# Altium PCB PCB_3_3G_wireless.PcbDoc (part 2 of 6)
Units mm, origin at the board's own origin, x right, y up, seen from the top; angles counter-clockwise.
Board outline 800 x 450.44 mm, 4 copper layers (Top Layer, Y1, S2, Bottom Layer), stack 0.778 mm thick; 1293 components, 1283 nets, 3356 pads, 970 vias.
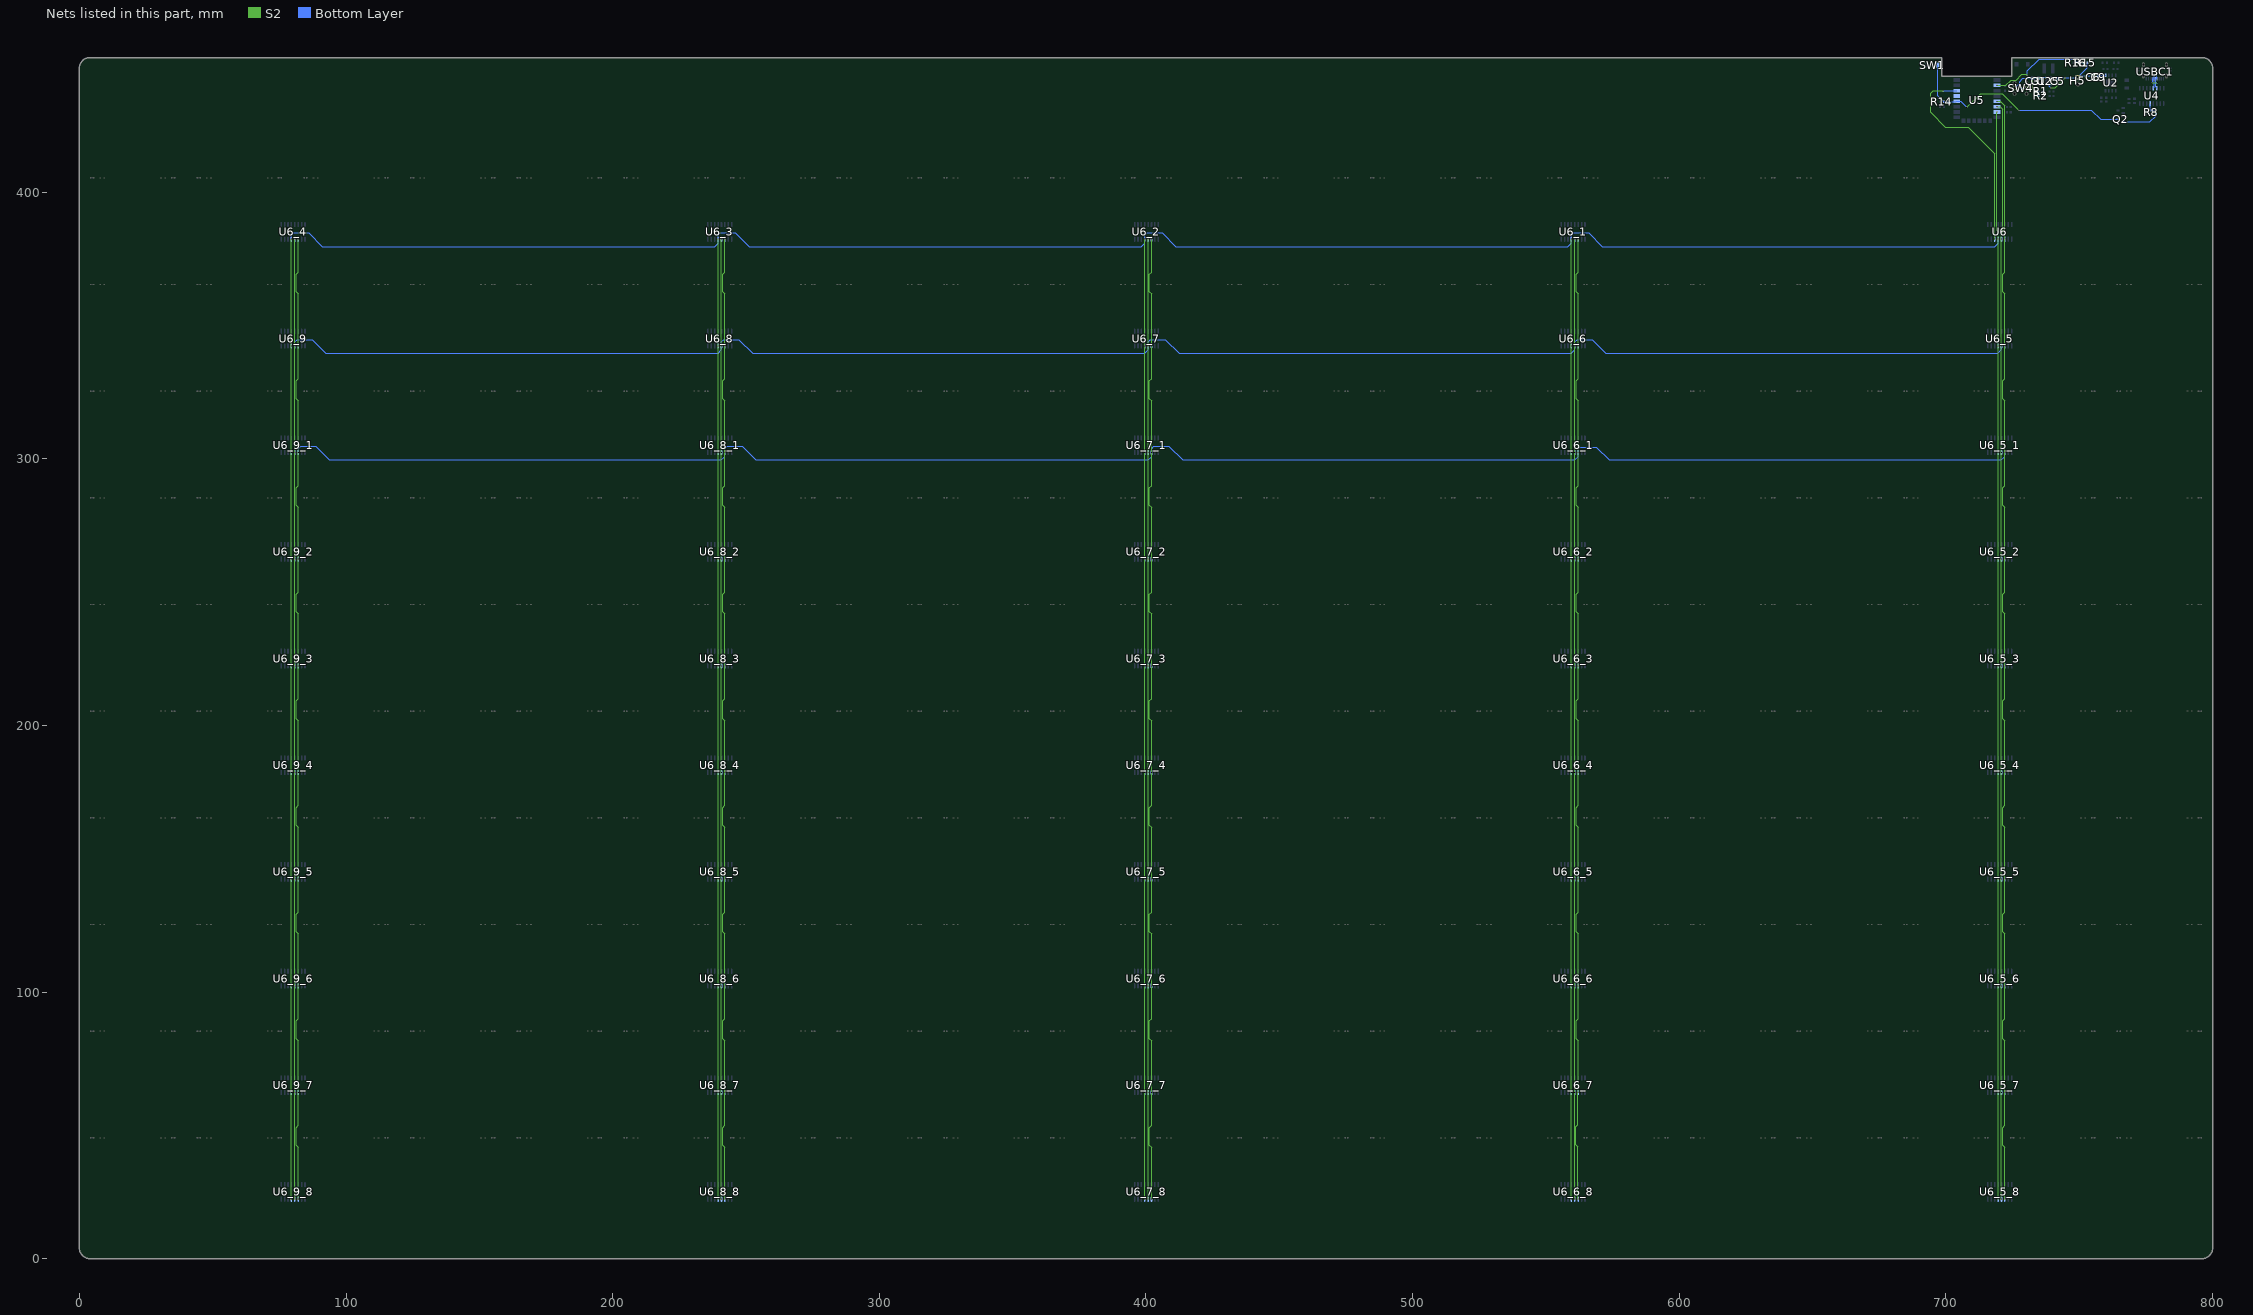
[diagram p4: the nets of this part, all layers, seen from the top]

## Components (designator, comment, footprint, x,y, rotation, side; value= is the part's Value field where it differs from the comment) (continued)
D20_14 "Comment" SC-79_L1.2-W0.8-LS1.6-RD 591.389,45.308 r0 top
D20_15 "Comment" SC-79_L1.2-W0.8-LS1.6-RD 631.389,45.308 r0 top
D20_16 "Comment" SC-79_L1.2-W0.8-LS1.6-RD 671.389,45.308 r0 top
D20_17 "Comment" SC-79_L1.2-W0.8-LS1.6-RD 711.389,45.308 r0 top
D20_18 "Comment" SC-79_L1.2-W0.8-LS1.6-RD 751.389,45.308 r0 top
D20_19 "Comment" SC-79_L1.2-W0.8-LS1.6-RD 791.389,45.308 r0 top
H5 "HDR-M_2.54_1x2P" HDR-TH_2P-P2.54-V-M-1 749.463,441.742 r270 bottom
L1 "Comment" 0402 4.801,405.307 r0 top
L1_1 "Comment" 0402 44.801,405.307 r0 top
L1_2 "Comment" 0402 84.801,405.307 r0 top
L1_3 "Comment" 0402 124.801,405.307 r0 top
L1_4 "Comment" 0402 164.801,405.307 r0 top
L1_5 "Comment" 0402 204.801,405.307 r0 top
L1_6 "Comment" 0402 244.801,405.307 r0 top
L1_7 "Comment" 0402 284.801,405.307 r0 top
L1_8 "Comment" 0402 324.801,405.307 r0 top
L1_9 "Comment" 0402 364.801,405.307 r0 top
L1_10 "Comment" 0402 404.801,405.307 r0 top
L1_11 "Comment" 0402 444.801,405.307 r0 top
L1_12 "Comment" 0402 484.801,405.307 r0 top
L1_13 "Comment" 0402 524.801,405.307 r0 top
L1_14 "Comment" 0402 564.801,405.307 r0 top
L1_15 "Comment" 0402 604.801,405.307 r0 top
L1_16 "Comment" 0402 644.801,405.307 r0 top
L1_17 "Comment" 0402 684.801,405.307 r0 top
L1_18 "Comment" 0402 724.801,405.307 r0 top
L1_19 "Comment" 0402 764.801,405.307 r0 top
L1_20 "3.3uH" IND-SMD_L4.0-W4.0_SMNR4012 738.454,446.273 r180 bottom (schematic designator L1)
L2 "Comment" 0402 4.801,365.307 r0 top
L2_1 "Comment" 0402 44.801,365.307 r0 top
L2_2 "Comment" 0402 84.801,365.307 r0 top
L2_3 "Comment" 0402 124.801,365.307 r0 top
L2_4 "Comment" 0402 164.801,365.307 r0 top
L2_5 "Comment" 0402 204.801,365.307 r0 top
L2_6 "Comment" 0402 244.801,365.307 r0 top
L2_7 "Comment" 0402 284.801,365.307 r0 top
L2_8 "Comment" 0402 324.801,365.307 r0 top
L2_9 "Comment" 0402 364.801,365.307 r0 top
L2_10 "Comment" 0402 404.801,365.307 r0 top
L2_11 "Comment" 0402 444.801,365.307 r0 top
L2_12 "Comment" 0402 484.801,365.307 r0 top
L2_13 "Comment" 0402 524.801,365.307 r0 top
L2_14 "Comment" 0402 564.801,365.307 r0 top
L2_15 "Comment" 0402 604.801,365.307 r0 top
L2_16 "Comment" 0402 644.801,365.307 r0 top
L2_17 "Comment" 0402 684.801,365.307 r0 top
L2_18 "Comment" 0402 724.801,365.307 r0 top
L2_19 "Comment" 0402 764.801,365.307 r0 top
L3 "Comment" 0402 4.801,325.307 r0 top
L3_1 "Comment" 0402 44.801,325.307 r0 top
L3_2 "Comment" 0402 84.801,325.307 r0 top
L3_3 "Comment" 0402 124.801,325.307 r0 top
L3_4 "Comment" 0402 164.801,325.307 r0 top
L3_5 "Comment" 0402 204.801,325.307 r0 top
L3_6 "Comment" 0402 244.801,325.307 r0 top
L3_7 "Comment" 0402 284.801,325.307 r0 top
L3_8 "Comment" 0402 324.801,325.307 r0 top
L3_9 "Comment" 0402 364.801,325.307 r0 top
L3_10 "Comment" 0402 404.801,325.307 r0 top
L3_11 "Comment" 0402 444.801,325.307 r0 top
L3_12 "Comment" 0402 484.801,325.307 r0 top
L3_13 "Comment" 0402 524.801,325.307 r0 top
L3_14 "Comment" 0402 564.801,325.307 r0 top
L3_15 "Comment" 0402 604.801,325.307 r0 top
L3_16 "Comment" 0402 644.801,325.307 r0 top
L3_17 "Comment" 0402 684.801,325.307 r0 top
L3_18 "Comment" 0402 724.801,325.307 r0 top
L3_19 "Comment" 0402 764.801,325.307 r0 top
L4 "Comment" 0402 4.801,285.307 r0 top
L4_1 "Comment" 0402 44.801,285.307 r0 top
L4_2 "Comment" 0402 84.801,285.307 r0 top
L4_3 "Comment" 0402 124.801,285.307 r0 top
L4_4 "Comment" 0402 164.801,285.307 r0 top
L4_5 "Comment" 0402 204.801,285.307 r0 top
L4_6 "Comment" 0402 244.801,285.307 r0 top
L4_7 "Comment" 0402 284.801,285.307 r0 top
L4_8 "Comment" 0402 324.801,285.307 r0 top
L4_9 "Comment" 0402 364.801,285.307 r0 top
L4_10 "Comment" 0402 404.801,285.307 r0 top
L4_11 "Comment" 0402 444.801,285.307 r0 top
L4_12 "Comment" 0402 484.801,285.307 r0 top
L4_13 "Comment" 0402 524.801,285.307 r0 top
L4_14 "Comment" 0402 564.801,285.307 r0 top
L4_15 "Comment" 0402 604.801,285.307 r0 top
L4_16 "Comment" 0402 644.801,285.307 r0 top
L4_17 "Comment" 0402 684.801,285.307 r0 top
L4_18 "Comment" 0402 724.801,285.307 r0 top
L4_19 "Comment" 0402 764.801,285.307 r0 top
L5 "Comment" 0402 4.801,245.307 r0 top
L5_1 "Comment" 0402 44.801,245.307 r0 top
L5_2 "Comment" 0402 84.801,245.307 r0 top
L5_3 "Comment" 0402 124.801,245.307 r0 top
L5_4 "Comment" 0402 164.801,245.307 r0 top
L5_5 "Comment" 0402 204.801,245.307 r0 top
L5_6 "Comment" 0402 244.801,245.307 r0 top
L5_7 "Comment" 0402 284.801,245.307 r0 top
L5_8 "Comment" 0402 324.801,245.307 r0 top
L5_9 "Comment" 0402 364.801,245.307 r0 top
L5_10 "Comment" 0402 404.801,245.307 r0 top
L5_11 "Comment" 0402 444.801,245.307 r0 top
L5_12 "Comment" 0402 484.801,245.307 r0 top
L5_13 "Comment" 0402 524.801,245.307 r0 top
L5_14 "Comment" 0402 564.801,245.307 r0 top
L5_15 "Comment" 0402 604.801,245.307 r0 top
L5_16 "Comment" 0402 644.801,245.307 r0 top
L5_17 "Comment" 0402 684.801,245.307 r0 top
L5_18 "Comment" 0402 724.801,245.307 r0 top
L5_19 "Comment" 0402 764.801,245.307 r0 top
L6 "Comment" 0402 4.801,205.307 r0 top
L6_1 "Comment" 0402 44.801,205.307 r0 top
L6_2 "Comment" 0402 84.801,205.307 r0 top
L6_3 "Comment" 0402 124.801,205.307 r0 top
L6_4 "Comment" 0402 164.801,205.307 r0 top
L6_5 "Comment" 0402 204.801,205.307 r0 top
L6_6 "Comment" 0402 244.801,205.307 r0 top
L6_7 "Comment" 0402 284.801,205.307 r0 top
L6_8 "Comment" 0402 324.801,205.307 r0 top
L6_9 "Comment" 0402 364.801,205.307 r0 top
L6_10 "Comment" 0402 404.801,205.307 r0 top
L6_11 "Comment" 0402 444.801,205.307 r0 top
L6_12 "Comment" 0402 484.801,205.307 r0 top
L6_13 "Comment" 0402 524.801,205.307 r0 top
L6_14 "Comment" 0402 564.801,205.307 r0 top
L6_15 "Comment" 0402 604.801,205.307 r0 top
L6_16 "Comment" 0402 644.801,205.307 r0 top
L6_17 "Comment" 0402 684.801,205.307 r0 top
L6_18 "Comment" 0402 724.801,205.307 r0 top
L6_19 "Comment" 0402 764.801,205.307 r0 top
L7 "Comment" 0402 4.801,165.307 r0 top
L7_1 "Comment" 0402 44.801,165.307 r0 top
L7_2 "Comment" 0402 84.801,165.307 r0 top
L7_3 "Comment" 0402 124.801,165.307 r0 top
L7_4 "Comment" 0402 164.801,165.307 r0 top
L7_5 "Comment" 0402 204.801,165.307 r0 top
L7_6 "Comment" 0402 244.801,165.307 r0 top
L7_7 "Comment" 0402 284.801,165.307 r0 top
L7_8 "Comment" 0402 324.801,165.307 r0 top
L7_9 "Comment" 0402 364.801,165.307 r0 top
L7_10 "Comment" 0402 404.801,165.307 r0 top
L7_11 "Comment" 0402 444.801,165.307 r0 top
L7_12 "Comment" 0402 484.801,165.307 r0 top
L7_13 "Comment" 0402 524.801,165.307 r0 top
L7_14 "Comment" 0402 564.801,165.307 r0 top
L7_15 "Comment" 0402 604.801,165.307 r0 top
L7_16 "Comment" 0402 644.801,165.307 r0 top
L7_17 "Comment" 0402 684.801,165.307 r0 top
L7_18 "Comment" 0402 724.801,165.307 r0 top
L7_19 "Comment" 0402 764.801,165.307 r0 top
L8 "Comment" 0402 4.801,125.307 r0 top
L8_1 "Comment" 0402 44.801,125.307 r0 top
L8_2 "Comment" 0402 84.801,125.307 r0 top
L8_3 "Comment" 0402 124.801,125.307 r0 top
L8_4 "Comment" 0402 164.801,125.307 r0 top
L8_5 "Comment" 0402 204.801,125.307 r0 top
L8_6 "Comment" 0402 244.801,125.307 r0 top
L8_7 "Comment" 0402 284.801,125.307 r0 top
L8_8 "Comment" 0402 324.801,125.307 r0 top
L8_9 "Comment" 0402 364.801,125.307 r0 top
L8_10 "Comment" 0402 404.801,125.307 r0 top
L8_11 "Comment" 0402 444.801,125.307 r0 top
L8_12 "Comment" 0402 484.801,125.307 r0 top
L8_13 "Comment" 0402 524.801,125.307 r0 top
L8_14 "Comment" 0402 564.801,125.307 r0 top
L8_15 "Comment" 0402 604.801,125.307 r0 top
L8_16 "Comment" 0402 644.801,125.307 r0 top
L8_17 "Comment" 0402 684.801,125.307 r0 top
L8_18 "Comment" 0402 724.801,125.307 r0 top
L8_19 "Comment" 0402 764.801,125.307 r0 top
L9 "Comment" 0402 4.801,85.307 r0 top
L9_1 "Comment" 0402 44.801,85.307 r0 top
L9_2 "Comment" 0402 84.801,85.307 r0 top
L9_3 "Comment" 0402 124.801,85.307 r0 top
L9_4 "Comment" 0402 164.801,85.307 r0 top
L9_5 "Comment" 0402 204.801,85.307 r0 top
L9_6 "Comment" 0402 244.801,85.307 r0 top
L9_7 "Comment" 0402 284.801,85.307 r0 top
L9_8 "Comment" 0402 324.801,85.307 r0 top
L9_9 "Comment" 0402 364.801,85.307 r0 top
L9_10 "Comment" 0402 404.801,85.307 r0 top
L9_11 "Comment" 0402 444.801,85.307 r0 top
L9_12 "Comment" 0402 484.801,85.307 r0 top
L9_13 "Comment" 0402 524.801,85.307 r0 top
L9_14 "Comment" 0402 564.801,85.307 r0 top
L9_15 "Comment" 0402 604.801,85.307 r0 top
L9_16 "Comment" 0402 644.801,85.307 r0 top
L9_17 "Comment" 0402 684.801,85.307 r0 top
L9_18 "Comment" 0402 724.801,85.307 r0 top
L9_19 "Comment" 0402 764.801,85.307 r0 top
L10 "Comment" 0402 4.801,45.307 r0 top
L10_1 "Comment" 0402 44.801,45.307 r0 top
L10_2 "Comment" 0402 84.801,45.307 r0 top
L10_3 "Comment" 0402 124.801,45.307 r0 top
L10_4 "Comment" 0402 164.801,45.307 r0 top
L10_5 "Comment" 0402 204.801,45.307 r0 top
L10_6 "Comment" 0402 244.801,45.307 r0 top
L10_7 "Comment" 0402 284.801,45.307 r0 top
L10_8 "Comment" 0402 324.801,45.307 r0 top
L10_9 "Comment" 0402 364.801,45.307 r0 top
L10_10 "Comment" 0402 404.801,45.307 r0 top
L10_11 "Comment" 0402 444.801,45.307 r0 top
L10_12 "Comment" 0402 484.801,45.307 r0 top
L10_13 "Comment" 0402 524.801,45.307 r0 top
L10_14 "Comment" 0402 564.801,45.307 r0 top
L10_15 "Comment" 0402 604.801,45.307 r0 top
L10_16 "Comment" 0402 644.801,45.307 r0 top
L10_17 "Comment" 0402 684.801,45.307 r0 top
L10_18 "Comment" 0402 724.801,45.307 r0 top
L10_19 "Comment" 0402 764.801,45.307 r0 top
L11 "Comment" 0402 35.199,405.308 r180 top
L11_1 "Comment" 0402 75.199,405.308 r180 top
L11_2 "Comment" 0402 115.199,405.308 r180 top
L11_3 "Comment" 0402 155.199,405.308 r180 top
L11_4 "Comment" 0402 195.199,405.308 r180 top
L11_5 "Comment" 0402 235.199,405.308 r180 top
L11_6 "Comment" 0402 275.199,405.308 r180 top
L11_7 "Comment" 0402 315.199,405.308 r180 top
L11_8 "Comment" 0402 355.199,405.308 r180 top
L11_9 "Comment" 0402 395.199,405.308 r180 top
L11_10 "Comment" 0402 435.199,405.308 r180 top
L11_11 "Comment" 0402 475.199,405.308 r180 top
L11_12 "Comment" 0402 515.199,405.308 r180 top
L11_13 "Comment" 0402 555.199,405.308 r180 top
L11_14 "Comment" 0402 595.199,405.308 r180 top
L11_15 "Comment" 0402 635.199,405.308 r180 top
L11_16 "Comment" 0402 675.199,405.308 r180 top
L11_17 "Comment" 0402 715.199,405.308 r180 top
L11_18 "Comment" 0402 755.199,405.308 r180 top
L11_19 "Comment" 0402 795.199,405.308 r180 top
L12 "Comment" 0402 35.199,365.308 r180 top
L12_1 "Comment" 0402 75.199,365.308 r180 top
L12_2 "Comment" 0402 115.199,365.308 r180 top
L12_3 "Comment" 0402 155.199,365.308 r180 top
L12_4 "Comment" 0402 195.199,365.308 r180 top
L12_5 "Comment" 0402 235.199,365.308 r180 top
L12_6 "Comment" 0402 275.199,365.308 r180 top
L12_7 "Comment" 0402 315.199,365.308 r180 top
L12_8 "Comment" 0402 355.199,365.308 r180 top
L12_9 "Comment" 0402 395.199,365.308 r180 top
L12_10 "Comment" 0402 435.199,365.308 r180 top
L12_11 "Comment" 0402 475.199,365.308 r180 top
L12_12 "Comment" 0402 515.199,365.308 r180 top
L12_13 "Comment" 0402 555.199,365.308 r180 top
L12_14 "Comment" 0402 595.199,365.308 r180 top
L12_15 "Comment" 0402 635.199,365.308 r180 top
L12_16 "Comment" 0402 675.199,365.308 r180 top
L12_17 "Comment" 0402 715.199,365.308 r180 top
L12_18 "Comment" 0402 755.199,365.308 r180 top
L12_19 "Comment" 0402 795.199,365.308 r180 top
L13 "Comment" 0402 35.199,325.308 r180 top
L13_1 "Comment" 0402 75.199,325.308 r180 top
L13_2 "Comment" 0402 115.199,325.308 r180 top
L13_3 "Comment" 0402 155.199,325.308 r180 top
L13_4 "Comment" 0402 195.199,325.308 r180 top
L13_5 "Comment" 0402 235.199,325.308 r180 top
L13_6 "Comment" 0402 275.199,325.308 r180 top
L13_7 "Comment" 0402 315.199,325.308 r180 top
L13_8 "Comment" 0402 355.199,325.308 r180 top
L13_9 "Comment" 0402 395.199,325.308 r180 top
L13_10 "Comment" 0402 435.199,325.308 r180 top
L13_11 "Comment" 0402 475.199,325.308 r180 top
L13_12 "Comment" 0402 515.199,325.308 r180 top
L13_13 "Comment" 0402 555.199,325.308 r180 top
L13_14 "Comment" 0402 595.199,325.308 r180 top
L13_15 "Comment" 0402 635.199,325.308 r180 top
L13_16 "Comment" 0402 675.199,325.308 r180 top
L13_17 "Comment" 0402 715.199,325.308 r180 top
L13_18 "Comment" 0402 755.199,325.308 r180 top
L13_19 "Comment" 0402 795.199,325.308 r180 top
L14 "Comment" 0402 35.199,285.308 r180 top
L14_1 "Comment" 0402 75.199,285.308 r180 top
L14_2 "Comment" 0402 115.199,285.308 r180 top
L14_3 "Comment" 0402 155.199,285.308 r180 top
L14_4 "Comment" 0402 195.199,285.308 r180 top
L14_5 "Comment" 0402 235.199,285.308 r180 top
L14_6 "Comment" 0402 275.199,285.308 r180 top
L14_7 "Comment" 0402 315.199,285.308 r180 top
L14_8 "Comment" 0402 355.199,285.308 r180 top
L14_9 "Comment" 0402 395.199,285.308 r180 top
L14_10 "Comment" 0402 435.199,285.308 r180 top
L14_11 "Comment" 0402 475.199,285.308 r180 top
L14_12 "Comment" 0402 515.199,285.308 r180 top
L14_13 "Comment" 0402 555.199,285.308 r180 top
L14_14 "Comment" 0402 595.199,285.308 r180 top
L14_15 "Comment" 0402 635.199,285.308 r180 top
L14_16 "Comment" 0402 675.199,285.308 r180 top
L14_17 "Comment" 0402 715.199,285.308 r180 top
L14_18 "Comment" 0402 755.199,285.308 r180 top
L14_19 "Comment" 0402 795.199,285.308 r180 top
L15 "Comment" 0402 35.199,245.308 r180 top
L15_1 "Comment" 0402 75.199,245.308 r180 top
L15_2 "Comment" 0402 115.199,245.308 r180 top
L15_3 "Comment" 0402 155.199,245.308 r180 top
L15_4 "Comment" 0402 195.199,245.308 r180 top
L15_5 "Comment" 0402 235.199,245.308 r180 top
L15_6 "Comment" 0402 275.199,245.308 r180 top
L15_7 "Comment" 0402 315.199,245.308 r180 top
L15_8 "Comment" 0402 355.199,245.308 r180 top
L15_9 "Comment" 0402 395.199,245.308 r180 top
L15_10 "Comment" 0402 435.199,245.308 r180 top
L15_11 "Comment" 0402 475.199,245.308 r180 top
L15_12 "Comment" 0402 515.199,245.308 r180 top
L15_13 "Comment" 0402 555.199,245.308 r180 top
L15_14 "Comment" 0402 595.199,245.308 r180 top
L15_15 "Comment" 0402 635.199,245.308 r180 top
L15_16 "Comment" 0402 675.199,245.308 r180 top
L15_17 "Comment" 0402 715.199,245.308 r180 top
L15_18 "Comment" 0402 755.199,245.308 r180 top
L15_19 "Comment" 0402 795.199,245.308 r180 top
L16 "Comment" 0402 35.199,205.308 r180 top
L16_1 "Comment" 0402 75.199,205.308 r180 top
L16_2 "Comment" 0402 115.199,205.308 r180 top
L16_3 "Comment" 0402 155.199,205.308 r180 top
L16_4 "Comment" 0402 195.199,205.308 r180 top
L16_5 "Comment" 0402 235.199,205.308 r180 top
L16_6 "Comment" 0402 275.199,205.308 r180 top
L16_7 "Comment" 0402 315.199,205.308 r180 top
L16_8 "Comment" 0402 355.199,205.308 r180 top
L16_9 "Comment" 0402 395.199,205.308 r180 top
L16_10 "Comment" 0402 435.199,205.308 r180 top
L16_11 "Comment" 0402 475.199,205.308 r180 top
L16_12 "Comment" 0402 515.199,205.308 r180 top
L16_13 "Comment" 0402 555.199,205.308 r180 top
L16_14 "Comment" 0402 595.199,205.308 r180 top
L16_15 "Comment" 0402 635.199,205.308 r180 top
L16_16 "Comment" 0402 675.199,205.308 r180 top
L16_17 "Comment" 0402 715.199,205.308 r180 top
L16_18 "Comment" 0402 755.199,205.308 r180 top
L16_19 "Comment" 0402 795.199,205.308 r180 top
L17 "Comment" 0402 35.199,165.308 r180 top
L17_1 "Comment" 0402 75.199,165.308 r180 top
L17_2 "Comment" 0402 115.199,165.308 r180 top
L17_3 "Comment" 0402 155.199,165.308 r180 top
L17_4 "Comment" 0402 195.199,165.308 r180 top
L17_5 "Comment" 0402 235.199,165.308 r180 top
L17_6 "Comment" 0402 275.199,165.308 r180 top
L17_7 "Comment" 0402 315.199,165.308 r180 top
L17_8 "Comment" 0402 355.199,165.308 r180 top
L17_9 "Comment" 0402 395.199,165.308 r180 top
L17_10 "Comment" 0402 435.199,165.308 r180 top
L17_11 "Comment" 0402 475.199,165.308 r180 top
L17_12 "Comment" 0402 515.199,165.308 r180 top
L17_13 "Comment" 0402 555.199,165.308 r180 top
L17_14 "Comment" 0402 595.199,165.308 r180 top
L17_15 "Comment" 0402 635.199,165.308 r180 top
L17_16 "Comment" 0402 675.199,165.308 r180 top
L17_17 "Comment" 0402 715.199,165.308 r180 top
L17_18 "Comment" 0402 755.199,165.308 r180 top
L17_19 "Comment" 0402 795.199,165.308 r180 top
L18 "Comment" 0402 35.199,125.308 r180 top
L18_1 "Comment" 0402 75.199,125.308 r180 top
L18_2 "Comment" 0402 115.199,125.308 r180 top
L18_3 "Comment" 0402 155.199,125.308 r180 top
L18_4 "Comment" 0402 195.199,125.308 r180 top
L18_5 "Comment" 0402 235.199,125.308 r180 top
L18_6 "Comment" 0402 275.199,125.308 r180 top
L18_7 "Comment" 0402 315.199,125.308 r180 top
L18_8 "Comment" 0402 355.199,125.308 r180 top
L18_9 "Comment" 0402 395.199,125.308 r180 top
L18_10 "Comment" 0402 435.199,125.308 r180 top
L18_11 "Comment" 0402 475.199,125.308 r180 top
L18_12 "Comment" 0402 515.199,125.308 r180 top
L18_13 "Comment" 0402 555.199,125.308 r180 top
L18_14 "Comment" 0402 595.199,125.308 r180 top
L18_15 "Comment" 0402 635.199,125.308 r180 top
L18_16 "Comment" 0402 675.199,125.308 r180 top
L18_17 "Comment" 0402 715.199,125.308 r180 top
L18_18 "Comment" 0402 755.199,125.308 r180 top
L18_19 "Comment" 0402 795.199,125.308 r180 top
L19 "Comment" 0402 35.199,85.308 r180 top
L19_1 "Comment" 0402 75.199,85.308 r180 top
L19_2 "Comment" 0402 115.199,85.308 r180 top
L19_3 "Comment" 0402 155.199,85.308 r180 top
L19_4 "Comment" 0402 195.199,85.308 r180 top
L19_5 "Comment" 0402 235.199,85.308 r180 top
L19_6 "Comment" 0402 275.199,85.308 r180 top
L19_7 "Comment" 0402 315.199,85.308 r180 top
L19_8 "Comment" 0402 355.199,85.308 r180 top
L19_9 "Comment" 0402 395.199,85.308 r180 top
L19_10 "Comment" 0402 435.199,85.308 r180 top
L19_11 "Comment" 0402 475.199,85.308 r180 top
L19_12 "Comment" 0402 515.199,85.308 r180 top
L19_13 "Comment" 0402 555.199,85.308 r180 top
L19_14 "Comment" 0402 595.199,85.308 r180 top
L19_15 "Comment" 0402 635.199,85.308 r180 top
L19_16 "Comment" 0402 675.199,85.308 r180 top
L19_17 "Comment" 0402 715.199,85.308 r180 top
L19_18 "Comment" 0402 755.199,85.308 r180 top
L19_19 "Comment" 0402 795.199,85.308 r180 top
L20 "Comment" 0402 35.199,45.308 r180 top
L20_1 "Comment" 0402 75.199,45.308 r180 top
L20_2 "Comment" 0402 115.199,45.308 r180 top
L20_3 "Comment" 0402 155.199,45.308 r180 top
L20_4 "Comment" 0402 195.199,45.308 r180 top
L20_5 "Comment" 0402 235.199,45.308 r180 top
L20_6 "Comment" 0402 275.199,45.308 r180 top
L20_7 "Comment" 0402 315.199,45.308 r180 top
L20_8 "Comment" 0402 355.199,45.308 r180 top
L20_9 "Comment" 0402 395.199,45.308 r180 top
L20_10 "Comment" 0402 435.199,45.308 r180 top
L20_11 "Comment" 0402 475.199,45.308 r180 top
L20_12 "Comment" 0402 515.199,45.308 r180 top
L20_13 "Comment" 0402 555.199,45.308 r180 top
L20_14 "Comment" 0402 595.199,45.308 r180 top
L20_15 "Comment" 0402 635.199,45.308 r180 top
L20_16 "Comment" 0402 675.199,45.308 r180 top
L20_17 "Comment" 0402 715.199,45.308 r180 top
L20_18 "Comment" 0402 755.199,45.308 r180 top
L20_19 "Comment" 0402 795.199,45.308 r180 top
LED1 "19-217/GHC-YR1S2/3T" LED0603-R-RD 763.793,448.465 r180 bottom
LED2 "19-217/GHC-YR1S2/3T" LED0603-R-RD 759.534,448.503 r0 bottom
Q1 "S8050" SOT-23-3_L2.9-W1.3-P1.90-LS2.4-BR 765.508,430.596 r0 bottom
Q2 "S8050" SOT-23-3_L2.9-W1.3-P1.90-LS2.4-BR 765.49,427.294 r0 bottom
R1 "820k" R0603 735.503,437.711 r180 bottom
R2 "750k" R0603 735.529,436.027 r180 bottom
R3 "143k" R0603 739.567,437.711 r180 bottom
R4 "AC1206FR-7W10KL" R1206 767.725,440.456 r270 bottom
R5 "TR0402D10K0Q1025Z" R0603 763.567,446.154 r0 bottom
R6 "TR0402D10K0Q1025Z" R0603 759.851,446.133 r180 bottom
R7 "TR0402D10K0Q1025Z" R0603 763.021,435.371 r180 bottom
R8 "CR0603FA4R30G" R0603 776.935,429.87 r270 bottom
R9 "RC0402FR-075K1L" R0402 784.332,445.945 r270 bottom
R10 "RC0402FR-075K1L" R0402 772.307,445.945 r90 bottom
R11 "10K" R0603 722.907,439.745 r180 bottom
R12 "10K" R0603 722.922,437.957 r180 bottom
R13 "10K" R0603 698.459,432.041 r0 bottom
R14 "10K" R0603 698.467,433.857 r0 bottom
R15 "230K" R0603 752.295,448.432 r180 bottom
R16 "100K" R0603 748.66,448.478 r180 bottom
R17 "CR0603FA4R30G" R0603 774.944,429.905 r270 bottom
SW1 "TS-KG88C-ACT25F" KEY-SMD_L4.0-W2.9-LS4.8 694.911,447.604 r180 bottom
SW2 "TS-KG88C-ACT25F" KEY-SMD_L4.0-W2.9-LS4.8 728.52,447.952 r0 bottom
SW4 "PS-5850A-6PL" SW-TH_6P-L5.8-W5.8-P2.00-LS4.5-BL 727.952,438.882 r270 bottom
U2 "TP4056" ESOP-8_L4.9-W3.9-P1.27-LS6.0-BL-EP 761.741,440.906 r180 bottom
U4 "CH340C" SOP-16_L10.0-W3.9-P1.27-LS6.0-BL 777.166,436.057 r0 bottom
U5 "ESP-12F(ESP8266MOD)" WIFIM-SMD_ESP-12F-ESP8266MOD 711.561,434.358 r270 bottom
U6 "74HC595D" SOIC-16_L9.9-W3.9-P1.27-LS6.0-BL 720.166,385.064 r0 bottom
U6_1 "74HC595D" SOIC-16_L9.9-W3.9-P1.27-LS6.0-BL 560.166,385.064 r0 bottom (schematic designator U6)
U6_2 "74HC595D" SOIC-16_L9.9-W3.9-P1.27-LS6.0-BL 400.166,385.064 r0 bottom (schematic designator U6)
U6_3 "74HC595D" SOIC-16_L9.9-W3.9-P1.27-LS6.0-BL 240.166,385.064 r0 bottom (schematic designator U6)
U6_4 "74HC595D" SOIC-16_L9.9-W3.9-P1.27-LS6.0-BL 80.166,385.064 r0 bottom (schematic designator U6)
U6_5 "74HC595D" SOIC-16_L9.9-W3.9-P1.27-LS6.0-BL 720.166,345.064 r0 bottom (schematic designator U6)
U6_5_1 "74HC595D" SOIC-16_L9.9-W3.9-P1.27-LS6.0-BL 720.166,305.064 r0 bottom (schematic designator U6)
U6_5_2 "74HC595D" SOIC-16_L9.9-W3.9-P1.27-LS6.0-BL 720.166,265.064 r0 bottom (schematic designator U6)
U6_5_3 "74HC595D" SOIC-16_L9.9-W3.9-P1.27-LS6.0-BL 720.166,225.064 r0 bottom (schematic designator U6)
U6_5_4 "74HC595D" SOIC-16_L9.9-W3.9-P1.27-LS6.0-BL 720.166,185.064 r0 bottom (schematic designator U6)
U6_5_5 "74HC595D" SOIC-16_L9.9-W3.9-P1.27-LS6.0-BL 720.166,145.064 r0 bottom (schematic designator U6)
U6_5_6 "74HC595D" SOIC-16_L9.9-W3.9-P1.27-LS6.0-BL 720.166,105.064 r0 bottom (schematic designator U6)
U6_5_7 "74HC595D" SOIC-16_L9.9-W3.9-P1.27-LS6.0-BL 720.166,65.064 r0 bottom (schematic designator U6)
U6_5_8 "74HC595D" SOIC-16_L9.9-W3.9-P1.27-LS6.0-BL 720.166,25.064 r0 bottom (schematic designator U6)
U6_6 "74HC595D" SOIC-16_L9.9-W3.9-P1.27-LS6.0-BL 560.166,345.064 r0 bottom (schematic designator U6)
U6_6_1 "74HC595D" SOIC-16_L9.9-W3.9-P1.27-LS6.0-BL 560.166,305.064 r0 bottom (schematic designator U6)
U6_6_2 "74HC595D" SOIC-16_L9.9-W3.9-P1.27-LS6.0-BL 560.166,265.064 r0 bottom (schematic designator U6)
U6_6_3 "74HC595D" SOIC-16_L9.9-W3.9-P1.27-LS6.0-BL 560.166,225.064 r0 bottom (schematic designator U6)
U6_6_4 "74HC595D" SOIC-16_L9.9-W3.9-P1.27-LS6.0-BL 560.166,185.064 r0 bottom (schematic designator U6)
U6_6_5 "74HC595D" SOIC-16_L9.9-W3.9-P1.27-LS6.0-BL 560.166,145.064 r0 bottom (schematic designator U6)
U6_6_6 "74HC595D" SOIC-16_L9.9-W3.9-P1.27-LS6.0-BL 560.166,105.064 r0 bottom (schematic designator U6)
U6_6_7 "74HC595D" SOIC-16_L9.9-W3.9-P1.27-LS6.0-BL 560.166,65.064 r0 bottom (schematic designator U6)
U6_6_8 "74HC595D" SOIC-16_L9.9-W3.9-P1.27-LS6.0-BL 560.166,25.064 r0 bottom (schematic designator U6)
U6_7 "74HC595D" SOIC-16_L9.9-W3.9-P1.27-LS6.0-BL 400.166,345.064 r0 bottom (schematic designator U6)
U6_7_1 "74HC595D" SOIC-16_L9.9-W3.9-P1.27-LS6.0-BL 400.166,305.064 r0 bottom (schematic designator U6)
U6_7_2 "74HC595D" SOIC-16_L9.9-W3.9-P1.27-LS6.0-BL 400.166,265.064 r0 bottom (schematic designator U6)
U6_7_3 "74HC595D" SOIC-16_L9.9-W3.9-P1.27-LS6.0-BL 400.166,225.064 r0 bottom (schematic designator U6)
U6_7_4 "74HC595D" SOIC-16_L9.9-W3.9-P1.27-LS6.0-BL 400.166,185.064 r0 bottom (schematic designator U6)
U6_7_5 "74HC595D" SOIC-16_L9.9-W3.9-P1.27-LS6.0-BL 400.166,145.064 r0 bottom (schematic designator U6)
U6_7_6 "74HC595D" SOIC-16_L9.9-W3.9-P1.27-LS6.0-BL 400.166,105.064 r0 bottom (schematic designator U6)
U6_7_7 "74HC595D" SOIC-16_L9.9-W3.9-P1.27-LS6.0-BL 400.166,65.064 r0 bottom (schematic designator U6)
U6_7_8 "74HC595D" SOIC-16_L9.9-W3.9-P1.27-LS6.0-BL 400.166,25.064 r0 bottom (schematic designator U6)
U6_8 "74HC595D" SOIC-16_L9.9-W3.9-P1.27-LS6.0-BL 240.166,345.064 r0 bottom (schematic designator U6)
U6_8_1 "74HC595D" SOIC-16_L9.9-W3.9-P1.27-LS6.0-BL 240.166,305.064 r0 bottom (schematic designator U6)
U6_8_2 "74HC595D" SOIC-16_L9.9-W3.9-P1.27-LS6.0-BL 240.166,265.064 r0 bottom (schematic designator U6)
U6_8_3 "74HC595D" SOIC-16_L9.9-W3.9-P1.27-LS6.0-BL 240.166,225.064 r0 bottom (schematic designator U6)
U6_8_4 "74HC595D" SOIC-16_L9.9-W3.9-P1.27-LS6.0-BL 240.166,185.064 r0 bottom (schematic designator U6)
U6_8_5 "74HC595D" SOIC-16_L9.9-W3.9-P1.27-LS6.0-BL 240.166,145.064 r0 bottom (schematic designator U6)
U6_8_6 "74HC595D" SOIC-16_L9.9-W3.9-P1.27-LS6.0-BL 240.166,105.064 r0 bottom (schematic designator U6)
U6_8_7 "74HC595D" SOIC-16_L9.9-W3.9-P1.27-LS6.0-BL 240.166,65.064 r0 bottom (schematic designator U6)
U6_8_8 "74HC595D" SOIC-16_L9.9-W3.9-P1.27-LS6.0-BL 240.166,25.064 r0 bottom (schematic designator U6)
U6_9 "74HC595D" SOIC-16_L9.9-W3.9-P1.27-LS6.0-BL 80.166,345.064 r0 bottom (schematic designator U6)
U6_9_1 "74HC595D" SOIC-16_L9.9-W3.9-P1.27-LS6.0-BL 80.166,305.064 r0 bottom (schematic designator U6)
U6_9_2 "74HC595D" SOIC-16_L9.9-W3.9-P1.27-LS6.0-BL 80.166,265.064 r0 bottom (schematic designator U6)
U6_9_3 "74HC595D" SOIC-16_L9.9-W3.9-P1.27-LS6.0-BL 80.166,225.064 r0 bottom (schematic designator U6)
U6_9_4 "74HC595D" SOIC-16_L9.9-W3.9-P1.27-LS6.0-BL 80.166,185.064 r0 bottom (schematic designator U6)
U6_9_5 "74HC595D" SOIC-16_L9.9-W3.9-P1.27-LS6.0-BL 80.166,145.064 r0 bottom (schematic designator U6)
U6_9_6 "74HC595D" SOIC-16_L9.9-W3.9-P1.27-LS6.0-BL 80.166,105.064 r0 bottom (schematic designator U6)
U6_9_7 "74HC595D" SOIC-16_L9.9-W3.9-P1.27-LS6.0-BL 80.166,65.064 r0 bottom (schematic designator U6)
U6_9_8 "74HC595D" SOIC-16_L9.9-W3.9-P1.27-LS6.0-BL 80.166,25.064 r0 bottom (schematic designator U6)
U25 "MP2155" QFN10 738.444,441.576 r270 bottom
USBC1 "918-418K2023S40001" USB-C-SMD_TYPE-C-USB-17 778.347,445.16 r0 bottom

## Footprints (in the part's own frame and the unit in brackets; to place one, negate y for a bottom-side part, rotate by r counter-clockwise, add the part's x,y. Pads: shape width x height; smd on the part's side, far side on the other; paste and mask are expansions set on the pad)
0402 [mm] "Chip Capacitor, Body 1.0x0.5mm, IPC High Density"
  rect 0.6x0.5 smd: 1(-0.5,0) 2(0.5,0)
  body extent -0.55,-0.3 0.55,0.3, height 1.3
C0603#1 [mm]
  rect 0.8x0.9 smd mask+0.051: 1(-0.7,0) 2(0.7,0)
  silkscreen extent -1.41,-0.71 1.39,0.72
C0603#2 [mm]
  rect 0.8x1.001 smd mask+0.051: 1(-0.8,0) 2(0.8,0)
  silkscreen extent -1.41,-0.71 1.39,0.72
C0805 [mm]
  rect 1.41x1.35 smd mask+0.051: 1(-1.03,0) 2(1.03,0)
  silkscreen extent -1.96,-0.9 1.96,0.9
ESOP-8_L4.9-W3.9-P1.27-LS6.0-BL-EP [mil]
  rect 23.6x47.2 smd mask+2: 1(-75,-114.5) 2(-25,-114.5) 3(25,-114.5) 4(75,-114.5) 5(75,114.5) 6(25,114.5) 7(-25,114.5) 8(-75,114.5)
  rect 137.8x98.4 smd mask+2: 9(0,0)
  silkscreen extent -126,-105 100,81
HDR-TH_2P-P2.54-V-M-1 [mm]
  rect 1.8x1.8 hole 1 mask+0.051: 1(-1.27,0)
  round 1.8 hole 1 mask+0.051: 2(1.27,0)
  silkscreen extent -2.54,-1.27 2.54,1.27
IND-SMD_L4.0-W4.0_SMNR4012 [mil]
  rect 51.2x145.7 smd mask+2: 1(-63,0) 2(63,0)
  silkscreen extent -82,-82 84,83
KEY-SMD_L4.0-W2.9-LS4.8 [mm]
  rect 1.35x1.8 smd mask+0.051: 1(-2.08,0) 2(2.08,0)
  Keep-Out Layer board cut-out: -0.375,-0.9 -0.338,-1.063 -0.234,-1.193 -0.084,-1.266 0.083,-1.266 0.234,-1.193 0.338,-1.063 0.375,-0.9 0.375,-0.9 0.338,-0.737 0.234,-0.607 0.083,-0.534 -0.084,-0.534 -0.234,-0.607 -0.338,-0.737 -0.375,-0.9 -0.375,-0.9
  Keep-Out Layer board cut-out: -0.375,0.9 -0.338,0.737 -0.234,0.607 -0.084,0.534 0.083,0.534 0.234,0.607 0.338,0.737 0.375,0.9 0.375,0.9 0.338,1.063 0.234,1.193 0.083,1.266 -0.084,1.266 -0.234,1.193 -0.338,1.063 -0.375,0.9 -0.375,0.9
  silkscreen extent -2,-1.45 2,1.45
LED0603-R-RD [mm]
  rect 0.8x0.8 smd mask+0.051: 1(0.851,0) 2(-0.851,0)
  silkscreen extent -1.82,-0.86 1.77,0.86
QFN10 [mil]
  oval 30.91x11.03 smd mask+4: 1(-57.41,39.4) 2(-57.41,19.7) 3(-57.41,0) 4(-57.41,-19.7) 5(-57.41,-39.4) 6(53.41,-39.4) 7(53.41,-19.7) 8(53.41,0) 9(53.41,19.7) 10(53.41,39.4)
  rect 57.1x88.6 smd mask+4: 11(-2,0)
  silkscreen extent -86,-62 60,62
R0402 [mm]
  rect 0.566x0.54 smd mask+0.051: 1(-0.433,0) 2(0.433,0)
  silkscreen extent -0.94,-0.5 0.94,0.5
R0603 [mm]
  rect 0.806x0.864 smd mask+0.051: 1(-0.753,0) 2(0.753,0)
  silkscreen extent -1.39,-0.66 1.39,0.66
R1206 [mil]
  rect 47.5x67 smd mask+2: 1(-58.2,0) 2(58.2,0)
  silkscreen extent -91,-43 91,43
SC-79_L1.2-W0.8-LS1.6-RD [mm]
  rect 0.63x0.36 smd: 1(-0.785,0) 2(0.785,0)
  silkscreen extent -0.9,-0.55 0.68,0.55
SOIC-16_L9.9-W3.9-P1.27-LS6.0-BL [mm]
  oval 0.602x1.971 smd mask+0.051: 1(-4.445,-2.736) 2(-3.175,-2.736) 3(-1.905,-2.736) 4(-0.635,-2.736) 5(0.635,-2.736) 6(1.905,-2.736) 7(3.175,-2.736) 8(4.445,-2.736) 9(4.445,2.736) 10(3.175,2.736) 11(1.905,2.736) 12(0.635,2.736) 13(-0.635,2.736) 14(-1.905,2.736) 15(-3.175,2.736) 16(-4.445,2.736)
  silkscreen extent -5.36,-2.82 5.03,1.52
SOP-16_L10.0-W3.9-P1.27-LS6.0-BL [mm]
  oval 0.56x1.745 smd mask+0.051: 1(-4.445,-2.872) 2(-3.175,-2.872) 3(-1.905,-2.872) 4(-0.635,-2.872) 5(0.635,-2.872) 6(1.905,-2.872) 7(3.175,-2.872) 8(4.445,-2.872) 9(4.445,2.872) 10(3.175,2.872) 11(1.905,2.872) 12(0.635,2.872) 13(-0.635,2.872) 14(-1.905,2.872) 15(-3.175,2.872) 16(-4.445,2.872)
  silkscreen extent -5.33,-3.02 5.08,1.77
SOT-23-3_L2.9-W1.3-P1.90-LS2.4-BR [mm]
  rect 1.25x0.7 smd mask+0.051: 1(1,-0.95) 2(1,0.95) 3(-1,0)
  silkscreen extent -0.73,-1.53 0.73,1.53
SW-TH_6P-L5.8-W5.8-P2.00-LS4.5-BL [mm]
  round 1.5 hole 0.9 mask+0.05: 1(-2,-2.25) 2(0,-2.25) 3(2,-2.25) 4(-2,2.25) 5(0,2.25) 6(2,2.25)
  silkscreen extent -2.9,-2.9 2.9,2.9
USB-C-SMD_TYPE-C-USB-17 [mil]
  oval 47.2x70.9 hole 27.6 slot 55.1 at 90 deg mask+2: 0(-170.1,-103.7) 0(170.1,-103.7)
  oval 43.3x78.7 hole 27.6 slot 63 at 90 deg mask+2: 0(-170.1,61.6) 0(170.1,61.6)
  rect 19.7x51.2 smd mask+2: A1(-126,103.7) A4(-94.5,103.7) A9(94.5,103.7) A12(126,103.7)
  rect 11x51.2 smd mask+2: A5(-49.2,103.7) A6(-9.8,103.7) A7(9.8,103.7) A8(49.2,103.7) B5(68.9,103.7) B6(29.5,103.7) B7(-29.5,103.7) B8(-68.9,103.7)
  Keep-Out Layer board cut-out: 113.8,52.4 107.38,50.93 102.23,46.83 99.37,40.89 99.37,34.31 102.23,28.37 107.38,24.27 113.8,22.8 113.8,22.8 120.22,24.27 125.37,28.37 128.23,34.31 128.23,40.89 125.37,46.83 120.22,50.93 113.8,52.4 113.8,52.4
  Keep-Out Layer board cut-out: -113.8,52.4 -120.22,50.93 -125.37,46.83 -128.23,40.89 -128.23,34.31 -125.37,28.37 -120.22,24.27 -113.8,22.8 -113.8,22.8 -107.38,24.27 -102.23,28.37 -99.37,34.31 -99.37,40.89 -102.23,46.83 -107.38,50.93 -113.8,52.4 -113.8,52.4
  silkscreen extent -170,-205 170,69
WIFIM-SMD_ESP-12F-ESP8266MOD [mil]
  rect 55.1x98.4 smd mask+2: 1(-301.2,-297.3) 2(-222.5,-297.3) 3(-143.7,-297.3) 4(-65,-297.3) 5(13.8,-297.3) 6(92.5,-297.3) 7(171.2,-297.3) 8(250,-297.3) 9(250,297.2) 10(171.2,297.3) 11(92.5,297.3) 12(13.8,297.3) 13(-65,297.2) 14(-143.7,297.3) 15(-222.5,297.3) 16(-301.2,297.3)
  rect 66.9x55.1 smd mask+2: 17(301.2,-196.8) 18(301.1,-118.2) 19(301.2,-39.5) 20(301.2,39.3) 21(301.2,118) 22(301.2,196.7)
  silkscreen extent -636,-351 309,315

## Via types
v1: diameter 0.5, hole 0.3, Top Layer to Bottom Layer, tented both sides, 612 vias
v2: diameter 0.45, hole 0.3, Top Layer to Bottom Layer, tented both sides, 354 vias
v3: diameter 0.6, hole 0.4, Top Layer to Bottom Layer, tented both sides, 4 vias

## Nets (pads, with @x,y where several pads share a name; then routed paths per layer and width w, separated by ;. In a path a pad name is that pad's centre, name@x,y a point inside that pad or via, vN(x,y) a via of type N, cw(c..) or ccw(c..) an arc to the next point about the centre after c; other vN are vias at no path point)
3V3: C1.2 C3.2 R1.2 R2.2 SW4.2 SW4.5 U25.1 | length 26.4
  S2 w0.254: v2(732.556,442.665) 732.556,438.734 v2(733.09,438.201)
  Bottom Layer w0.254: v2(732.556,442.665) 732.564,442.657 C1.2@734.873,442.657 735.25,443.034 U25.1@737.443,443.034 ; v2(733.09,438.201) 733.605,437.686 734.775,437.686 R2.2@734.775,436.027 ; R1.2@734.75,437.711 R1.2@734.75,438.035
  Bottom Layer w0.381: SW4.5@725.702,438.882 727.588,440.768 ; SW4.2@730.202,438.882 728.467,438.882 727.588,439.76 727.588,440.768 ; v2(732.556,442.665) 728.875,442.665 727.588,441.378 727.588,440.768
BAT+: C5.2 C6.2 C9.2 H5.1 R15.1 U2.5 U25.5 U25.6 U25.7 U25.8 | length 35.7
  S2 w0.254: v2(739.379,439.118) 740.989,439.118 v2(744.649,442.778)
  Bottom Layer w0.254: v2(739.379,439.118) 738.444,440.052 U25.8@738.444,440.22 U25.7@738.944,440.22 U25.6@739.445,440.22 ; C5.2@741.445,443.034 C5.2@741.954,442.525 742.38,442.951 749.463,442.951 749.422,442.91 H5.1@749.783,442.91 ; R15.1@753.048,448.432 753.048,446.597 H5.1@749.463,443.012 750.127,443.676 C6.2@755.307,443.676 ; C6.2@755.325,443.658 C9.2@757.301,443.658 757.457,443.814 U2.5@759.836,443.814
D+: U4.5 USBC1.A6 USBC1.B6 | length 7.8
  Bottom Layer w0.254: U4.5@777.801,438.93 778.099,439.227 USBC1.A6@778.099,442.526 778.099,443.989 778.358,444.249 778.731,444.249 779.097,443.883 USBC1.B6@779.097,442.526
D-: U4.6 USBC1.A7 USBC1.B7 | length 8.1
  S2 w0.254: v2(777.281,441.043) v2@779.252,441.043
  Bottom Layer w0.254: v2(777.281,441.043) 777.598,441.361 USBC1.B7@777.598,442.526 ; 778.584,441.058 v2(779.267,441.058) ; USBC1.A7@778.596,442.526 778.596,439.405 U4.6@779.071,438.93
DTR#: Q2.2 R8.1 U4.13 | length 19.8
  Bottom Layer w0.254: Q2.2@766.49,426.344 776.496,426.344 778.805,428.653 778.805,429.931 778.112,430.623 R8.1@776.935,430.623 ; U4.13@776.531,433.185 776.531,431.027 R8.1@776.935,430.623 ; R8.1@776.657,430.623 R8.1@776.935,430.623 ; R8.1@776.935,430.555 R8.1@776.935,430.623
ESP_AD: R15.2 R16.1 U5.2 | length 38.5
  S2 w0.254: v1(719.112,440.009) 722.46,440.009 724.395,441.945 726.272,441.945 728.459,444.132 730.217,444.132 v1(730.496,443.852)
  Bottom Layer w0.254: v1(730.496,443.852) 730.496,445.496 734.891,449.89 748.001,449.89 R16.1@749.413,448.478 749.459,448.432 R15.2@751.541,448.432
  Bottom Layer w0.381: R16.1@749.413,448.478 R16.1@749.413,448.644
ESP_IO0: Q2.3 R14.2 SW1.1 U5.12 | length 87.1
  S2 w0.254: v1(707.801,431.734) 712.998,436.931 721.131,436.931 727.296,430.766 v1(727.296,430.726)
  Bottom Layer w0.254: SW1.1@696.991,447.604 696.991,436.087 R14.2@699.22,433.857 703.859,433.857 U5.12@704.009,434.007 705.528,434.007 v1(707.801,431.734) ; v1(727.296,430.726) 754.56,430.726 757.992,427.294 Q2.3@764.49,427.294
ESP_IO4: U5.13
ESP_IO5: U5.14 U6.14 | length 79.7
  S2 w0.254: v2(698.891,438.008) 695.31,438.008 694.258,436.956 694.258,429.844 699.77,424.332 708.279,424.332 718.261,414.35 v2(718.261,382.328)
  Bottom Layer w0.254: v2(698.891,438.008) U5.14@704.009,438.008
ESP_IO12: U5.6 U6.12 U6_1.12 U6_2.12 U6_3.12 U6_4.12 U6_5.12 U6_5_1.12 U6_5_2.12 U6_5_3.12 U6_5_4.12 U6_5_5.12 U6_5_6.12 U6_5_7.12 U6_5_8.12 U6_6.12 U6_6_1.12 U6_6_2.12 U6_6_3.12 U6_6_4.12 U6_6_5.12 U6_6_6.12 U6_6_7.12 U6_6_8.12 U6_7.12 U6_7_1.12 U6_7_2.12 U6_7_3.12 U6_7_4.12 U6_7_5.12 U6_7_6.12 U6_7_7.12 U6_7_8.12 U6_8.12 U6_8_1.12 U6_8_2.12 U6_8_3.12 U6_8_4.12 U6_8_5.12 U6_8_6.12 U6_8_7.12 U6_8_8.12 U6_9.12 U6_9_1.12 U6_9_2.12 U6_9_3.12 U6_9_4.12 U6_9_5.12 U6_9_6.12 U6_9_7.12 U6_9_8.12 | length 2515.6
  S2 w0.254: v2(80.801,22.328) v2(80.801,62.328) v2(80.801,102.328) v2(80.801,142.328) v2(80.801,182.328) v2(80.801,222.328) v2(80.801,262.328) v2(80.801,302.328) v2(80.801,342.328) v2(80.801,382.328) ; v2(240.801,22.328) v2(240.801,62.328) v2(240.801,102.328) v2(240.801,142.328) v2(240.801,182.328) v2(240.801,222.328) v2(240.801,262.328) v2(240.801,302.328) v2(240.801,342.328) v2(240.801,382.328) ; v2(400.801,22.328) v2(400.801,62.328) v2(400.801,102.328) v2(400.801,142.328) v2(400.801,182.328) v2(400.801,222.328) v2(400.801,262.328) v2(400.801,302.328) v2(400.801,342.328) v2(400.801,382.328) ; v2@560.73,22.535 v2@560.73,62.535 ; v2(560.801,62.328) v2(560.801,102.328) v2(560.801,142.328) v2(560.801,182.328) v2(560.801,222.328) v2(560.801,262.328) v2(560.801,302.328) v2(560.801,342.328) v2(560.801,382.328) ; v2(719.112,432.008) 720.415,432.008 721.36,431.063 721.36,384.861 720.75,384.251 720.75,382.379 v2(720.801,382.328) v2(720.801,342.328) v2(720.801,302.328) v2(720.801,262.328) v2(720.801,222.328) v2(720.801,182.328) v2(720.801,142.328) v2(720.801,102.328) v2(720.801,62.328) v2(720.801,22.328)
  Bottom Layer w0.254: v2(80.801,342.328) 80.801,343.789 81.67,344.658 87.309,344.658 92.44,339.527 239.506,339.527 240.801,340.822 v2(240.801,342.328) 240.801,343.789 241.67,344.658 247.309,344.658 252.44,339.527 399.506,339.527 400.801,340.822 v2(400.801,342.328) 400.801,343.789 401.67,344.658 407.309,344.658 412.44,339.527 559.506,339.527 560.801,340.822 v2(560.801,342.328) 560.801,343.789 561.67,344.658 567.309,344.658 572.44,339.527 719.506,339.527 720.801,340.822 v2(720.801,342.328)
  other v2: 560.801,22.328
ESP_IO13: U5.7 U6.13 U6_1.13 U6_2.13 U6_3.13 U6_4.13 U6_5.13 U6_5_1.13 U6_5_2.13 U6_5_3.13 U6_5_4.13 U6_5_5.13 U6_5_6.13 U6_5_7.13 U6_5_8.13 U6_6.13 U6_6_1.13 U6_6_2.13 U6_6_3.13 U6_6_4.13 U6_6_5.13 U6_6_6.13 U6_6_7.13 U6_6_8.13 U6_7.13 U6_7_1.13 U6_7_2.13 U6_7_3.13 U6_7_4.13 U6_7_5.13 U6_7_6.13 U6_7_7.13 U6_7_8.13 U6_8.13 U6_8_1.13 U6_8_2.13 U6_8_3.13 U6_8_4.13 U6_8_5.13 U6_8_6.13 U6_8_7.13 U6_8_8.13 U6_9.13 U6_9_1.13 U6_9_2.13 U6_9_3.13 U6_9_4.13 U6_9_5.13 U6_9_6.13 U6_9_7.13 U6_9_8.13 | length 2511.8
  S2 w0.254: v2(79.531,22.328) v2(79.531,62.328) v2(79.531,102.328) v2(79.531,142.328) v2(79.531,182.328) v2(79.531,222.328) v2(79.531,262.328) v2(79.531,302.328) v2(79.531,342.328) v2(79.531,382.328) ; v2(239.531,22.328) v2(239.531,62.328) v2(239.531,102.328) v2(239.531,142.328) v2(239.531,182.328) v2(239.531,222.328) v2(239.531,262.328) v2(239.531,302.328) v2(239.531,342.328) v2(239.531,382.328) ; v2(399.531,22.328) v2(399.531,62.328) v2(399.531,102.328) v2(399.531,142.328) v2(399.531,182.328) v2(399.531,222.328) v2(399.531,262.328) v2(399.531,302.328) v2(399.531,342.328) v2(399.531,382.328) ; v2@559.46,22.535 v2@559.46,62.535 ; v2(559.531,62.328) v2(559.531,102.328) v2(559.531,142.328) v2(559.531,182.328) v2(559.531,222.328) v2(559.531,262.328) v2(559.531,302.328) v2(559.531,342.328) v2(559.531,382.328) ; v2(719.112,430.009) 719.112,385.585 719.531,385.166 v2(719.531,382.328) v2(719.531,342.328) v2(719.531,302.328) v2(719.531,262.328) v2(719.531,222.328) v2(719.531,182.328) v2(719.531,142.328) v2(719.531,102.328) v2(719.531,62.328) v2(719.531,22.328)
  Bottom Layer w0.254: v2(79.531,382.328) 79.531,383.789 80.4,384.658 86.039,384.658 91.17,379.527 238.236,379.527 239.531,380.822 v2(239.531,382.328) 239.531,383.789 240.4,384.658 246.039,384.658 251.17,379.527 398.236,379.527 399.531,380.822 v2(399.531,382.328) 399.531,383.789 400.4,384.658 406.039,384.658 411.17,379.527 558.236,379.527 559.531,380.822 v2(559.531,382.328) 559.531,383.789 560.4,384.658 566.039,384.658 571.17,379.527 718.236,379.527 719.531,380.822 v2(719.531,382.328)
  other v2: 559.531,22.328
ESP_IO14: U5.5 U6.11 U6_1.11 U6_2.11 U6_3.11 U6_4.11 U6_5.11 U6_5_1.11 U6_5_2.11 U6_5_3.11 U6_5_4.11 U6_5_5.11 U6_5_6.11 U6_5_7.11 U6_5_8.11 U6_6.11 U6_6_1.11 U6_6_2.11 U6_6_3.11 U6_6_4.11 U6_6_5.11 U6_6_6.11 U6_6_7.11 U6_6_8.11 U6_7.11 U6_7_1.11 U6_7_2.11 U6_7_3.11 U6_7_4.11 U6_7_5.11 U6_7_6.11 U6_7_7.11 U6_7_8.11 U6_8.11 U6_8_1.11 U6_8_2.11 U6_8_3.11 U6_8_4.11 U6_8_5.11 U6_8_6.11 U6_8_7.11 U6_8_8.11 U6_9.11 U6_9_1.11 U6_9_2.11 U6_9_3.11 U6_9_4.11 U6_9_5.11 U6_9_6.11 U6_9_7.11 U6_9_8.11 | length 2547.2
  S2 w0.254: v2(82.071,22.328) 82.071,41.772 81.309,42.534 81.309,49.189 82.071,49.951 82.071,81.772 81.309,82.534 81.309,89.189 82.071,89.951 v2(82.071,102.328) 82.071,121.772 81.309,122.534 81.309,129.189 82.071,129.951 v2(82.071,142.328) 82.071,161.772 81.309,162.534 81.309,169.189 82.071,169.951 v2(82.071,182.328) 82.071,201.772 81.309,202.534 81.309,209.189 82.071,209.951 v2(82.071,222.328) 82.071,241.772 81.309,242.534 81.309,249.189 82.071,249.951 v2(82.071,262.328) 82.071,281.772 81.309,282.534 81.309,289.189 82.071,289.951 82.071,321.772 81.309,322.534 81.309,329.189 82.071,329.951 v2(82.071,342.328) 82.071,361.772 81.309,362.534 81.309,369.189 82.071,369.951 v2(82.071,382.328) ; v2(242.071,22.328) 242.071,41.772 241.309,42.534 241.309,49.189 242.071,49.951 v2(242.071,62.328) 242.071,81.772 241.309,82.534 241.309,89.189 242.071,89.951 v2(242.071,102.328) 242.071,121.772 241.309,122.534 241.309,129.189 242.071,129.951 v2(242.071,142.328) 242.071,161.772 241.309,162.534 241.309,169.189 242.071,169.951 v2(242.071,182.328) 242.071,201.772 241.309,202.534 241.309,209.189 242.071,209.951 242.071,241.772 241.309,242.534 241.309,249.189 242.071,249.951 242.071,281.772 241.309,282.534 241.309,289.189 242.071,289.951 v2(242.071,302.328) 242.071,321.772 241.309,322.534 241.309,329.189 242.071,329.951 v2(242.071,342.328) 242.071,361.772 241.309,362.534 241.309,369.189 242.071,369.951 v2(242.071,382.328) ; v2(402.071,22.328) 402.071,41.772 401.309,42.534 401.309,49.189 402.071,49.951 v2(402.071,62.328) 402.071,81.772 401.309,82.534 401.309,89.189 402.071,89.951 v2(402.071,102.328) 402.071,121.772 401.309,122.534 401.309,129.189 402.071,129.951 v2(402.071,142.328) 402.071,161.772 401.309,162.534 401.309,169.189 402.071,169.951 v2(402.071,182.328) 402.071,201.772 401.309,202.534 401.309,209.189 402.071,209.951 v2(402.071,222.328) 402.071,241.772 401.309,242.534 401.309,249.189 402.071,249.951 v2(402.071,262.328) 402.071,281.772 401.309,282.534 401.309,289.189 402.071,289.951 v2(402.071,302.328) 402.071,321.772 401.309,322.534 401.309,329.189 402.071,329.951 v2(402.071,342.328) 402.071,361.772 401.309,362.534 401.309,369.189 402.071,369.951 v2(402.071,382.328) ; v2@562,22.535 562,41.979 561.238,42.741 561.238,49.395 562,50.157 v2@562,62.535 ; v2(562.071,62.328) 562.071,81.772 561.309,82.534 561.309,89.189 562.071,89.951 v2(562.071,102.328) 562.071,121.772 561.309,122.534 561.309,129.189 562.071,129.951 562.071,161.772 561.309,162.534 561.309,169.189 562.071,169.951 562.071,201.772 561.309,202.534 561.309,209.189 562.071,209.951 562.071,241.772 561.309,242.534 561.309,249.189 562.071,249.951 562.071,281.772 561.309,282.534 561.309,289.189 562.071,289.951 v2(562.071,302.328) 562.071,321.772 561.309,322.534 561.309,329.189 562.071,329.951 v2(562.071,342.328) 562.071,361.772 561.309,362.534 561.309,369.189 562.071,369.951 v2(562.071,382.328) ; v2(719.112,434.007) 720.397,434.007 722.071,432.333 v2(722.071,382.328) 722.071,369.951 721.309,369.189 721.309,362.534 722.071,361.772 v2(722.071,342.328) ; v2(722.071,22.328) 722.071,41.772 721.309,42.534 721.309,49.189 722.071,49.951 722.071,81.772 721.309,82.534 721.309,89.189 722.071,89.951 722.071,121.772 721.309,122.534 721.309,129.189 722.071,129.951 722.071,161.772 721.309,162.534 721.309,169.189 722.071,169.951 v2(722.071,182.328) 722.071,201.772 721.309,202.534 721.309,209.189 722.071,209.951 722.071,241.772 721.309,242.534 721.309,249.189 722.071,249.951 v2(722.071,262.328) 722.071,281.772 721.309,282.534 721.309,289.189 722.071,289.951 722.071,321.772 721.309,322.534 721.309,329.189 722.071,329.951 v2(722.071,342.328) ; 722.071,343.764 v2(722.071,342.328)
  Bottom Layer w0.254: v2(82.071,302.328) 82.071,303.789 82.94,304.658 88.579,304.658 93.71,299.527 240.776,299.527 242.071,300.822 v2(242.071,302.328) 242.071,303.789 242.94,304.658 248.579,304.658 253.71,299.527 400.776,299.527 402.071,300.822 v2(402.071,302.328) 402.071,303.789 402.94,304.658 408.579,304.658 413.71,299.527 560.776,299.527 562.071,300.822 v2(562.071,302.328) 562.071,303.789 562.6,304.317 568.919,304.317 573.71,299.527 720.776,299.527 722.071,300.822 v2(722.071,302.328)
  other v2: 562.071,22.328 82.071,62.328 722.071,62.328 722.071,102.328 562.071,142.328 722.071,142.328 562.071,182.328 242.071,222.328 562.071,222.328 722.071,222.328 242.071,262.328 562.071,262.328